# Altium PCB KCP-2282-601-PCBV3.8.PcbDoc (part 2 of 3)
Units mm, origin at the board's own origin, x right, y up, seen from the top; angles counter-clockwise.
Board outline 58.3 x 95.6 mm, 4 copper layers (Top (1), GND (2), VCC (3), Bottom (4)), stack 1.595 mm thick; 164 components, 88 nets, 538 pads, 533 vias.
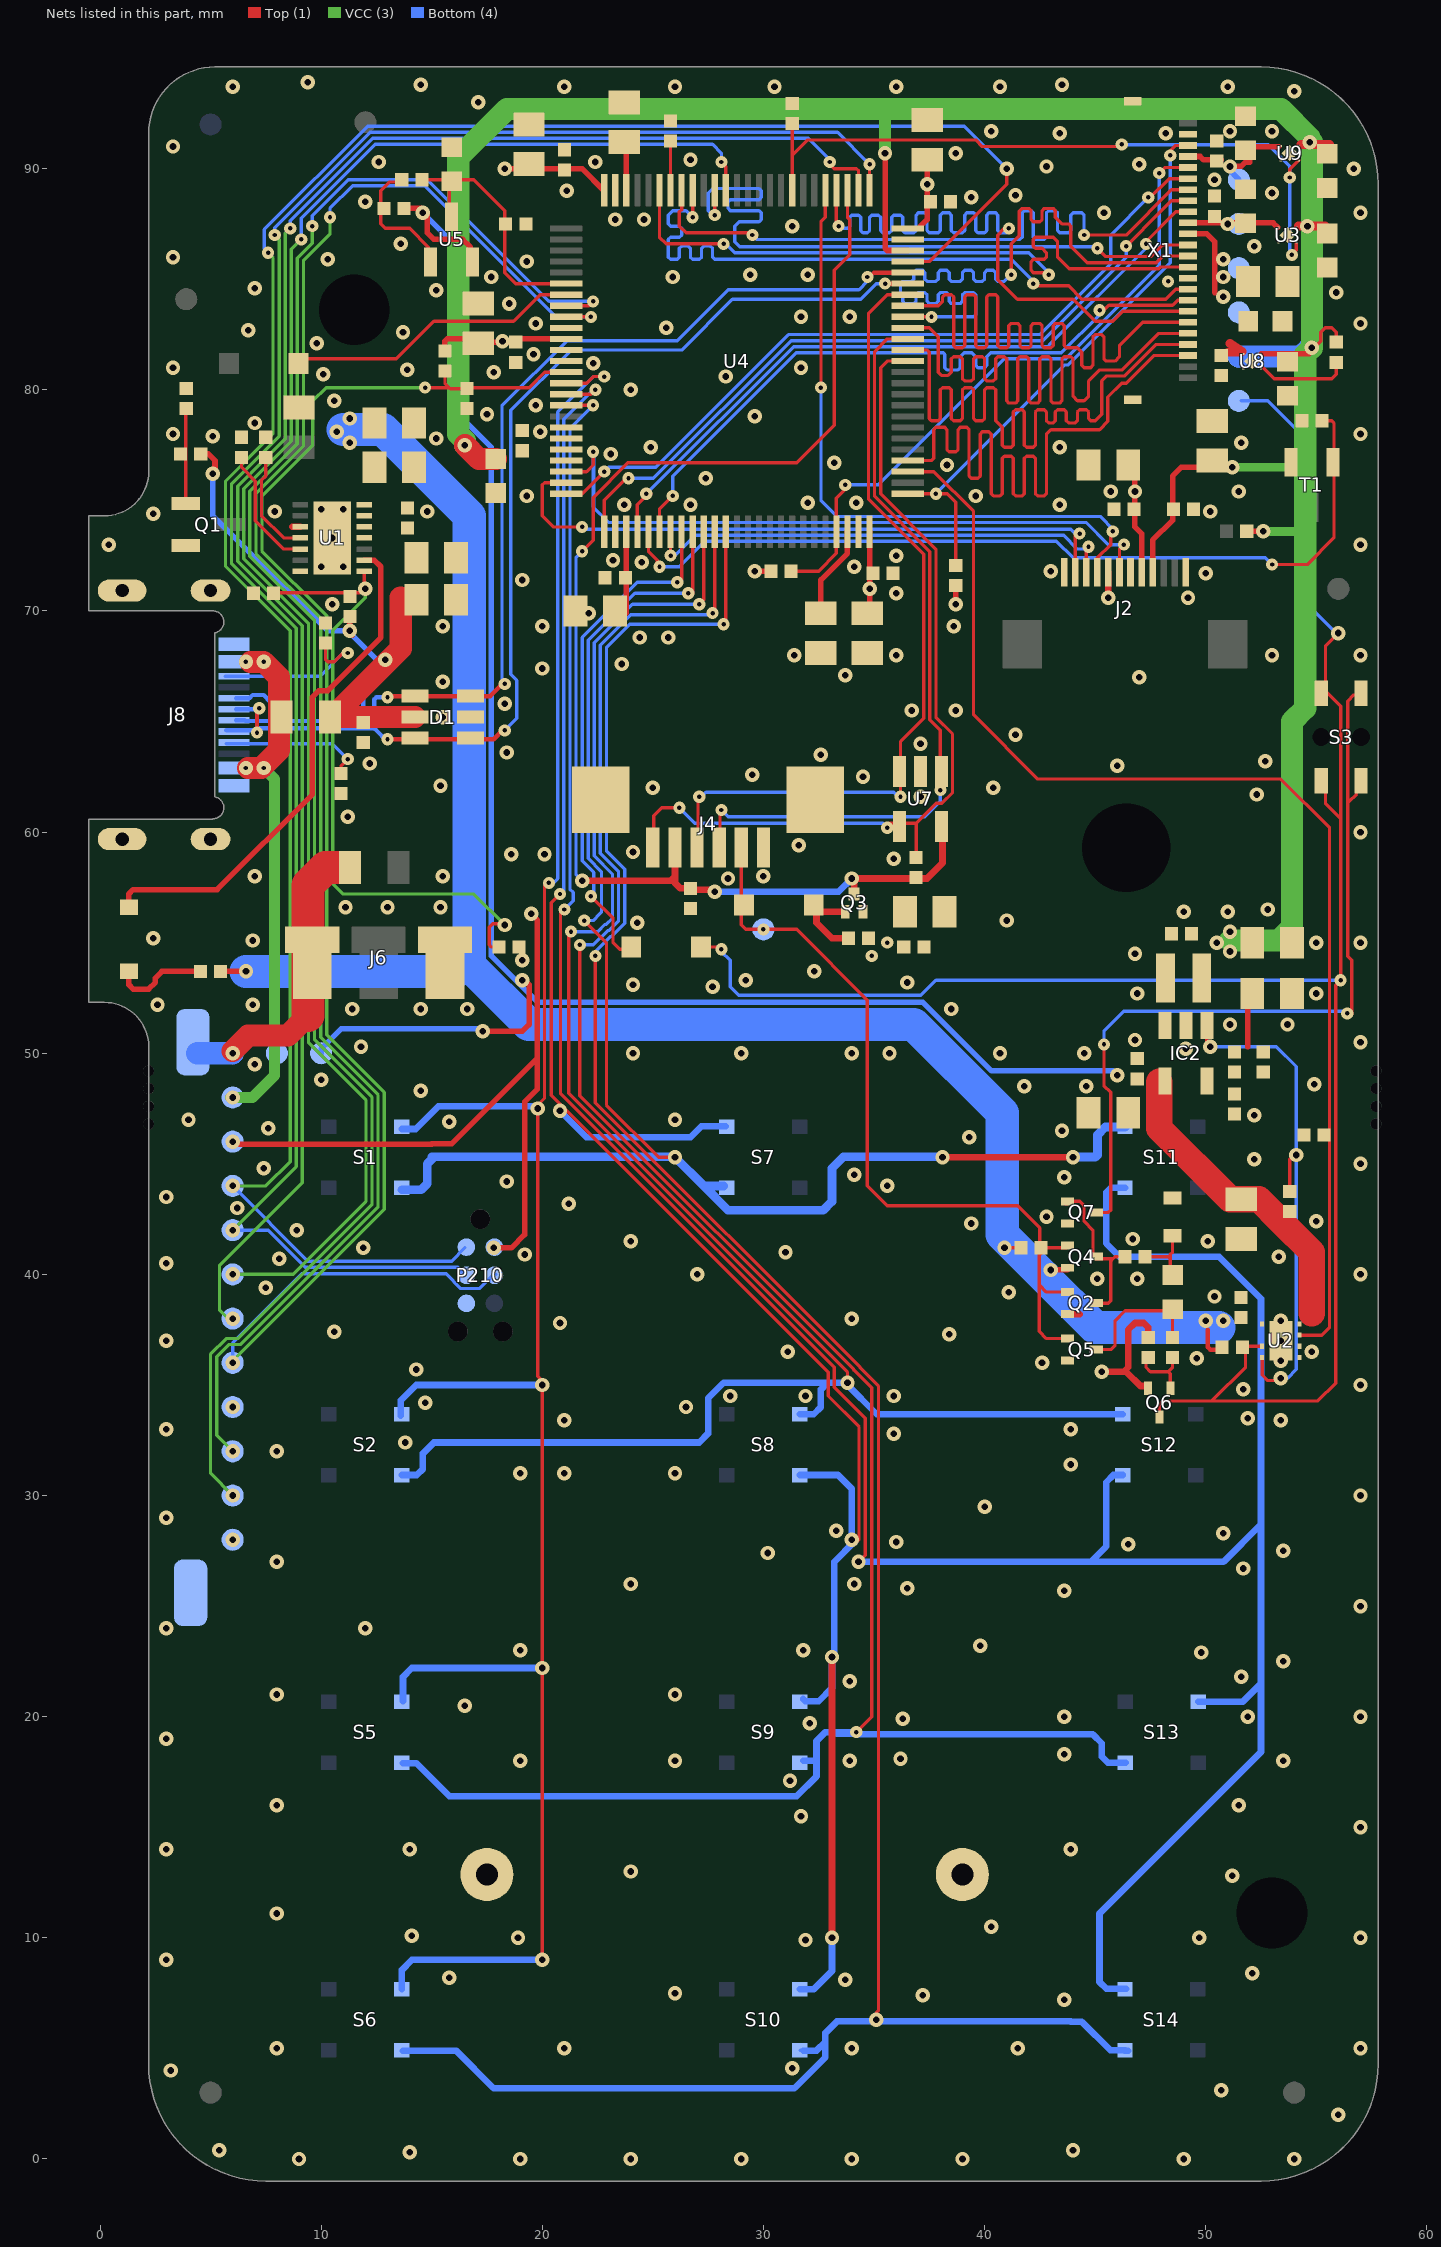
[diagram p4: the nets of this part, all layers, seen from the top]

## Via types
v1: diameter 0.65, hole 0.3, Top (1) to Bottom (4), tented both sides, 438 vias
v2: diameter 0.55, hole 0.2, Top (1) to Bottom (4), tented both sides, 91 vias
v3: diameter 0.65, hole 0.2, Top (1) to Bottom (4), tented both sides, 4 vias

## Nets (pads, with @x,y where several pads share a name; then routed paths per layer and width w, separated by ;. In a path a pad name is that pad's centre, name@x,y a point inside that pad or via, vN(x,y) a via of type N, cw(c..) or ccw(c..) an arc to the next point about the centre after c; other vN are vias at no path point) (continued)
CAM_D0: U4.68 X1.19 | length 34.3
  Top (1) w0.15: U4.68@36.7,83.8 37.9,83.8 38.1,84 38.1,84.2 38.2,84.3 38.5,84.3 38.6,84.2 38.6,82 38.7,81.9 39,81.9 39.1,82 39.1,84.2 39.2,84.3 39.5,84.3 39.6,84.2 39.6,82 39.7,81.9 40,81.9 40.1,82 40.1,84.2 40.2,84.3 40.5,84.3 40.6,84.2 40.6,82 40.7,81.9 41,81.9 41.1,82 41.1,82.6 41.1,82.9 41.2,83 41.5,83 41.6,82.9 41.6,82 41.7,81.9 42,81.9 42.1,82 42.1,82.6 42.1,82.9 42.2,83 42.5,83 42.6,82.9 42.6,82 42.7,81.9 43,81.9 43.1,82 43.1,82.6 43.1,82.9 43.2,83 43.5,83 43.6,82.9 43.6,82 43.7,81.9 44.2,81.9 44.4,81.7 44.4,81.1 44.5,81 44.8,81 44.9,81.1 44.9,82.4 45,82.5 45.3,82.5 45.4,82.4 45.4,81.4 45.5,81.3 45.9,81.3 46.1,81.5 46.1,82 47.15,83.05 X1.19@49.2,83.05
CAM_D1: U4.64 X1.21 | length 34.5
  Top (1) w0.15: U4.64@36.522,81.8 37.4,81.8 37.5,81.7 37.5,78.7 37.6,78.6 37.9,78.6 38,78.7 38,80 38.1,80.1 38.4,80.1 38.5,80 38.5,78.7 38.6,78.6 38.9,78.6 39,78.7 39,80 39.1,80.1 39.4,80.1 39.5,80 39.5,78.7 39.6,78.6 39.9,78.6 40,78.7 40,80 40.1,80.1 40.4,80.1 40.5,80 40.5,78.6 40.8,78.3 40.8,77.5 40.9,77.4 41.2,77.4 41.3,77.5 41.3,79 41.4,79.1 41.7,79.1 41.8,79 41.8,77.5 41.9,77.4 42.2,77.4 42.3,77.5 42.3,79 42.4,79.1 42.7,79.1 42.8,79 42.8,78.6 42.9,78.5 43.1,78.5 43.2,78.6 43.2,79 43.3,79.1 43.6,79.1 43.7,79 43.7,78.6 43.8,78.5 44.1,78.5 44.2,78.6 44.2,79 44.3,79.1 44.6,79.1 44.7,79 44.7,78.7 44.8,78.6 45,78.6 45.3,78.9 45.3,80.4 45.525,80.625 46.336,80.625 47.761,82.05 X1.21@49.2,82.05
CAM_D2: U4.54 X1.22 | length 34.2
  Top (1) w0.15: U4.54@37,76.8 37.6,76.8 37.7,76.9 37.7,78.2 37.8,78.3 38.2,78.3 38.3,78.2 38.3,77.3 38.4,77.2 38.7,77.2 38.8,77.3 38.8,78.2 38.9,78.3 39.2,78.3 39.3,78.2 39.3,76.1 39.4,76 39.7,76 39.8,76.1 39.8,78 39.9,78.1 40.2,78.1 40.3,78 40.3,75.3 40.4,75.2 40.7,75.2 40.8,75.3 40.8,76.9 40.9,77 41.2,77 41.3,76.9 41.3,75.3 41.4,75.2 41.7,75.2 41.8,75.3 41.8,76.9 41.9,77 42.2,77 42.3,76.9 42.3,75.3 42.4,75.2 42.7,75.2 42.8,75.3 42.8,76.3 42.8,78 43,78.2 45.2,78.2 45.575,78.575 45.575,79.675 46.2,80.3 46.4,80.3 46.6,80.5 47.15,81.05 ; 47.1,81 47.65,81.55 X1.22@49.2,81.55
CAM_D3: U4.66 X1.20 | length 35.2
  Top (1) w0.15: U4.66@36.522,82.8 37.5,82.8 37.9,82.4 37.9,80.8 38.05,80.65 38.35,80.65 38.5,80.8 38.5,81.4 38.6,81.5 38.9,81.5 39,81.4 39,80.5 39.1,80.4 39.4,80.4 39.5,80.5 39.5,80.8 39.5,81.4 39.6,81.5 39.9,81.5 40,81.4 40,80.5 40.1,80.4 40.4,80.4 40.5,80.5 40.5,80.8 40.5,81.4 40.6,81.5 40.9,81.5 41,81.4 41,79.5 41.1,79.4 41.4,79.4 41.5,79.5 41.5,80.8 41.5,81.4 41.6,81.5 41.9,81.5 42,81.4 42,79.5 42.1,79.4 42.4,79.4 42.5,79.5 42.5,80.8 42.5,81.4 42.6,81.5 42.9,81.5 43,81.4 43,79.5 43.1,79.4 43.4,79.4 43.5,79.5 43.5,80.8 43.5,81.4 ; 43.5,80.7 43.5,81.4 ; X1.20@49.2,82.55 47.872,82.55 46.222,80.9 45.2,80.9 44.7,80.4 44.7,79.7 44.5,79.5 44.2,79.5 44,79.7 44,81.4 43.9,81.5 43.6,81.5 43.5,81.4
CAM_D4: U4.79 X1.18 | length 31.9
  Top (1) w0.15: U4.79@33.3,89.022 33.3,87.5 v2@33.4,87.5 ; v2(41.1,87.3) 40.9,87.3 40.6,87 40.6,84.975 41.488,84.088 ; 41.5,84.1 44,84.1 45,83.1 45.8,83.1 46.25,83.55 X1.18@49.2,83.55
  Bottom (4) w0.15: v2(33.4,87.4) 33.5,87.3 33.8,87.3 33.9,87.4 33.9,87.8 34,87.9 34.3,87.9 34.4,87.8 34.4,87.2 34.5,87.1 34.7,87.1 34.8,87.2 34.8,87.8 34.9,87.9 35.2,87.9 35.3,87.8 35.3,87.2 35.4,87.1 35.7,87.1 35.8,87.2 35.8,87.8 35.9,87.9 36.2,87.9 36.3,87.8 36.3,87.2 36.4,87.1 36.8,87.1 36.9,87.2 36.9,87.9 37,88 37.3,88 37.4,87.9 37.4,87.2 37.5,87.1 37.9,87.1 38,87.2 38,87.9 38.1,88 38.4,88 38.5,87.9 38.5,87.2 38.6,87.1 39,87.1 39.1,87.2 39.1,87.9 39.2,88 39.5,88 39.6,87.9 39.6,87.2 39.7,87.1 40,87.1 40.1,87.2 40.1,87.9 40.2,88 40.5,88 40.6,87.9 40.6,87.2 40.7,87.1 41,87.1 41.1,87.2 v2(41.1,87.3)
CAM_D5: U4.92 X1.16 | length 31.8
  Top (1) w0.15: v2(26.8,87.8) U4.92@26.8,89.022 ; v2(42.2,84.8) 42.2,84.7 43.8,84.7 44.4,84.1 48.2,84.1 48.65,84.55 X1.16@49.2,84.55
  Bottom (4) w0.15: v2@26.7,87.9 26.5,88.1 25.9,88.1 25.7,87.9 25.7,87.5 25.8,87.4 26.2,87.4 26.3,87.3 26.3,87 26.2,86.9 25.8,86.9 25.7,86.8 25.7,86 25.8,85.9 26.1,85.9 26.2,86 26.2,86.4 26.3,86.5 26.6,86.5 26.7,86.4 26.7,86 26.8,85.9 27.1,85.9 27.2,86 27.2,86.4 27.3,86.5 27.6,86.5 27.7,86.4 27.7,86 27.8,85.9 41.2,85.9 42.2,84.9 v2(42.2,84.8)
CAM_D6: U4.95 X1.14 | length 31.9
  Top (1) w0.15: U4.95@25.3,89.022 25.3,86.9 25.6,86.6 v2(28.2,86.6) v2@28.3,86.6 ; v2(42.9,85.2) 42.8,85.3 42.2,85.3 42.1,85.4 42.1,85.8 42.2,85.9 42.7,85.9 42.8,86 42.8,86.2 42.6,86.4 42.3,86.4 42.2,86.5 42.2,86.8 42.3,86.9 43.1,86.9 43.3,86.7 43.3,86 43.825,85.475 47.875,85.475 47.95,85.55 X1.14@49.2,85.55
  Bottom (4) w0.15: v2@28.25,86.65 28.7,86.2 42,86.2 42.9,85.3 v2(42.9,85.2)
CAM_D7: U4.90 X1.12 | length 31.9
  Top (1) w0.15: v2(27.8,87.9) U4.90@27.8,89.022 ; v2(45.1,86.4) 45.475,86.025 47.525,86.025 48.05,86.55 X1.12@49.2,86.55
  Bottom (4) w0.15: v2(27.8,87.9) 27.7,87.9 27.5,88.1 27.5,88.9 27.7,89.1 29.8,89.1 29.9,89 29.9,88.7 29.8,88.6 28.5,88.6 28.4,88.5 28.4,88.2 28.5,88.1 29.8,88.1 29.9,88 29.9,87.7 29.8,87.6 28.9,87.6 28.7,87.4 28.7,86.7 28.925,86.475 45.025,86.475 v2(45.1,86.4)
CAM_HSYNC: U4.29 X1.9 | length 32.2
  Top (1) w0.15: U4.29@24.3,73.578 24.3,74.8 24.75,75.25 v2@24.8,75.3 ; v2(24.7,75.3) v2@24.8,75.3 ; v2(47.3,86.6) 47.3,86.7 48.65,88.05 X1.9@49.2,88.05 ; v2@24.8,75.3 24.85,75.35 24.9,75.3 v2@24.8,75.3
  Bottom (4) w0.15: v2(24.7,75.3) 24.711,75.3 31.361,81.95 42.85,81.95 43,82.1 47.3,86.4 v2(47.3,86.6)
CAM_I2C_SCL: R11.1 U4.47 X1.5 | length 29.9
  Top (1) w0.15: R11.1@31.3,71.8 32.5,71.8 33.3,72.6 U4.47@33.3,73.578 33.3,75.1 33.8,75.6 33.9,75.7 v2(33.7,75.7) ; v2(47.9,89.8) 48.15,90.05 X1.5@49.2,90.05
  Bottom (4) w0.15: v2(33.7,75.7) 35.2,75.7 40.9,81.4 43.672,81.4 47.9,85.628 v2(47.9,89.8) v2@47.9,89.9
CAM_I2C_SDA: R24.1 U4.51 X1.3 | length 26
  Top (1) w0.15: U4.51@36.6,75.3 v2(37.8,75.3) 38.311,75.3 38.7,74.911 R24.1@38.7,72.055 R24.1@38.7,72 ; v2@48.4,90.7 48.4,90.8 48.65,91.05 X1.3@49.2,91.05
  Bottom (4) w0.15: v2(37.8,75.3) 43.625,81.125 43.786,81.125 48.4,85.739 v2(48.4,90.6)
CAM_PCLK: U4.31 X1.17 | length 31.8
  Top (1) w0.15: U4.31@25.3,73.578 25.3,74.6 v2(25.9,75.2) ; v2(45.2,83.6) v2@45.25,83.55 ; v2@45.3,83.5 45.625,83.825 48.5,83.825 48.725,84.05 X1.17@49.2,84.05
  Bottom (4) w0.15: v2(25.9,75.2) 25.9,76.1 31.475,81.675 38.125,81.675 38.2,81.6 38.2,81 38.3,80.9 38.8,80.9 38.9,81 38.9,81.5 39.075,81.675 39.425,81.675 39.6,81.5 39.6,81.1 39.7,81 40,81 40.1,81.1 40.1,81.5 40.275,81.675 43.475,81.675 45.2,83.4 v2(45.2,83.6)
CAM_PWR_DOWN: U4.26 X1.8 | length 34.7
  Top (1) w0.15: U4.26@22.8,73.578 22.8,75 23.85,76.05 v2@23.9,76.1 ; v2(46.4,86.5) 47.95,88.05 ; 47.3,87.4 48.45,88.55 X1.8@49.2,88.55
  Bottom (4) w0.15: v2(23.9,76) 25.022,76 31.247,82.225 42.625,82.225 46.4,86 v2(46.4,86.5)
CAM_RST: U4.25 X1.6 | length 34.8
  Top (1) w0.15: U4.25@21.078,75.3 21.8,75.3 v2(22.8,76.3) ; v2(47.4,88.7) 47.5,88.7 48.35,89.55 X1.6@49.2,89.55
  Bottom (4) w0.15: v2(22.8,76.3) 23,76.5 25.133,76.5 31.133,82.5 42.5,82.5 45.7,85.7 45.7,87 v2(47.4,88.7)
CAM_VSYNC: U4.93 X1.7 | length 32
  Top (1) w0.15: U4.93@26.3,89.022 26.3,88.148 26.2,88.049 26.2,87.4 26.5,87.1 29.4,87.1 v2(29.5,87) ; v2(44.5,87) 46.4,87 48.45,89.05 X1.7@49.2,89.05
  Bottom (4) w0.15: v2(29.5,87) 29.7,86.8 41.6,86.8 41.7,86.9 41.7,88 41.8,88.1 42.1,88.1 42.2,88 42.2,86.9 42.3,86.8 42.7,86.8 42.8,86.9 42.8,88 42.9,88.1 43.2,88.1 43.3,88 43.3,87.2 43.4,87.1 43.8,87.1 43.9,87.2 43.9,87.9 44,88 44.4,88 44.5,87.9 v2(44.5,87) v2@44.4,87
CAM_XCLK: U4.67 X1.13 | length 31.9
  Top (1) w0.15: U4.67@36.522,83.3 v2(37.6,83.3) ; v2(41.2,85.2) 41.2,86.6 41.575,86.975 41.575,88.075 41.7,88.2 42,88.2 42.1,88.1 42.1,87.7 42.2,87.6 42.5,87.6 42.6,87.7 42.6,88.1 42.7,88.2 43.1,88.2 43.2,88.1 43.2,87.8 43.5,87.5 43.8,87.5 43.9,87.4 43.9,86.5 44.65,85.75 47.761,85.75 48.061,86.05 X1.13@49.2,86.05
  Bottom (4) w0.15: v2(37.6,83.3) 39.5,83.3 39.6,83.4 39.6,84.3 39.5,84.4 39.1,84.4 39,84.3 39,84 38.9,83.9 38.5,83.9 38.4,84 38.4,84.3 38.3,84.4 38,84.4 37.9,84.3 37.9,84 37.8,83.9 37.5,83.9 37.4,84 37.4,84.3 37.3,84.4 37,84.4 36.9,84.3 36.9,84 36.8,83.9 36.4,83.9 36.3,84 36.3,84.3 36.2,84.4 36.2,84.8 36.3,84.9 36.7,84.9 36.8,85 36.8,85.3 36.9,85.4 37.2,85.4 37.3,85.3 37.3,85 37.4,84.9 37.8,84.9 37.9,85 37.9,85.3 38,85.4 38.3,85.4 38.4,85.3 38.4,85 38.5,84.9 38.9,84.9 39,85 39,85.3 39.1,85.4 39.4,85.4 39.5,85.3 39.5,85 39.6,84.9 39.9,84.9 40,85 40,85.3 40.1,85.4 40.4,85.4 40.5,85.3 40.5,85 40.6,84.9 40.9,84.9 v2(41.2,85.2)
CC1: J8.A5 R2.2 | length 6.6
  Top (1) w0.15: R2.2@10.9,62.655 10.9,63 v2(11.2,63.3)
  Bottom (4) w0.15: J8.A5@5.7,64 6.05,64 10.5,64 v2(11.2,63.3)
CC2: J8.B5 R3.2 | length 7.9
  Top (1) w0.15: R3.2@10.2,68.545 10.2,67.8 10.3,67.7 10.6,67.7 11,68.1 v2(11.2,68.1)
  Bottom (4) w0.15: J8.B5@5.65,67.05 J8.B5@6.05,67.05 9.95,67.05 11,68.1 v2(11.2,68.1)
GND: C1.2 C2.2 C3.1 C4.2 C5.2 C6.2 C7.2 C9.2 C10.2 C11.2 C12.2 C13.2 C14.2 C15.2 C16.2 C17.2 C19.2 C21.2 C23.2 C24.2 C25.2 C26.2 C27.2 C29.2 C30.2 C31.2 C32.2 C33.2 C34.2 C35.2 C36.2 C37.2 C38.2 C39.2 C40.2 C41.2 C42.2 C44.2 C45.2 C46.2 C47.2 C48.2 C49.2 C52.2 C53.2 C54.2 C300.2 C302.2 D1.2 D6.2 GND4.1 GND.1 IC2.2 J2.1 J2.5 J2.12 J4.0 J4.1 J6.1 J6.4 J8.A1_B12 J8.B1_A12 J8.S1 J8.S2 J8.S3 J8.S4 JGND.1 M.1 P210.6 pad.0 Q1.2 Q2.2 Q5.2 Q6.2 Q7.2 R1.1 R2.1 R3.1 R4.2 R7.1 R10.1 R14.1 R15.1 R17.1 R18.1 R25.1 R28.1 R100.1 T1.2 U1.3 U1.7 U1.TH_PAD U2.5 U2.6 U2.TH_PAD U3.2 U3.5 U4.10 U4.19 U4.20 U4.27 U4.49 U4.74 U4.99 U7.2 U8.2 U8.5 U9.2 U9.5 X1.0 X1.2 X1.15 | length 7.8
  Top (1) w0.3: U1.3@8.7,73.8 U1.3@9.05,73.8 ; Q2.2@43.75,38.2 44.3,38.2 ; v1@45.4,35.6 46.3,35.6 ; v1(45.6,70.6) J2.5@45.6,71.75 ; Q6.2@47.4,34.95 47.05,34.95 46.4,35.6 46.3,35.6 ; R25.1@47.4,37.2 47.4,37.6 47.2,37.8 46.8,37.8 46.5,37.5 46.5,35.8 46.3,35.6
  other v1: 9,0 19,0 24,0 29,0 34,0 39,0 49,0 54,0 14,0.3 5.4,0.4 44,0.4 56,2 50.7,3.1 3.2,4 31.3,4.1 8,5 21,5 34,5 41.5,5 57,5 43.6,7.2 37.2,7.4 26,7.5 33.7,8.1 15.8,8.2 52.1,8.4 3,9 31.9,9.9 18.9,10 49.7,10 57,10 14.1,10.1 40.3,10.5 8,11.1 51.2,12.8 24,13 3,14 14,14 43.9,14 57,15 31.7,15.5 8,16 51.5,16 31.2,17.1 19,18 26,18 33.9,18 53.5,18 36.2,18.1 43.6,18.3 3,19 32.1,19.7 36.3,19.9 43.6,20 51.9,20 57,20 16.5,20.5 8,21 26,21 33.9,21.6 51.6,21.8 53.5,22.5 49.8,22.9 19,23 31.8,23 39.8,23.2 3,24 12,24 57,25 43.6,25.7 36.5,25.8 24,26 34.1,26 51.7,26.7 8,27 30.2,27.4 53.5,27.5 46.5,27.8 36,27.9 6,28 50.8,28.3 33.3,28.4 3,29 40,29.5 57,30 19,31 21,31 26,31 43.9,31.4 8,32 13.8,32.4 35.9,32.8 3,33 43.9,33 21,33.4 53.4,33.4 51.9,33.5 6,34 26.5,34 14.7,34.2 28.5,34.5 31.9,34.5 35.9,34.5 51.7,34.8 57,35 45.3,35.6 14.3,35.7 42.6,36 53.4,36.1 49.6,36.2 31.1,36.5 54.8,36.5 3,37 53.4,37 38.4,37.3 10.6,37.4 20.8,37.8 53.4,37.9 34,38 50.4,39 41.1,39.2 7.5,39.4 45.1,39.8 46.9,39.8 27,40 57,40 3,40.5 8.1,40.7 53.3,40.8 19.2,40.9 31,41 11.9,41.2 24,41.5 50.1,41.5 46.7,41.6 8.9,42 39.4,42.3 55,42.4 42.8,42.6 6.2,43 21.2,43.2 3,43.5 35.6,44 18.4,44.2 43.6,44.4 34.1,44.5 7.4,44.8 57,45 52.2,45.2 39.3,46.2 43.5,46.5 7.6,46.6 15.8,46.9 4,47 26,47 52.2,47.2 14.5,48.3 41.8,48.5 44.6,48.5 54.9,48.6 10,48.8 7,49.5 24.1,50 29,50 34,50 35.7,50 40.7,50 44.5,50 49.1,50.2 11.8,50.3 57,50.5 46.8,50.6 51.1,51.3 53.7,51.3 11.4,52 14.5,52 16.6,52 38.5,52 2.6,52.2 6.9,52.2 46.9,52.7 55,52.7 27.7,53 24.1,53.1 36.5,53.2 29.2,53.3 32.3,53.7 19.1,54.2 46.8,54.5 55,55 57,55 6.9,55.1 2.4,55.2 24.3,55.9 41,56 49,56.4 51,56.4 52.8,56.5 11.1,56.6 13,56.6 15.4,56.6 28.4,57.9 7,58 15.5,58 30,58 35.9,58.8 18.6,59 20.1,59 24.1,59.1 31.6,59.4 57,60 11.2,60.7 37.1,61.6 52.3,61.7 25,62 40.4,62 15.4,62.1 34.5,62.5 29.5,62.6 46,63 12.2,63.1 52.7,63.2 32.6,63.5 18.4,63.6 37.1,64 41.4,64.4 15.5,65.2 36.7,65.5 38.7,65.5 18.3,65.8 15.5,66.8 47,67 33.7,67.1 20,67.4 23.6,67.6 31.4,68 36,68 53,68 57,68 25.7,68.8 15.5,69.3 20,69.3 38.6,69.3 22.1,69.9 10.5,70.3 49.2,70.6 36,70.8 19.1,71.4 50,71.7 43,71.8 10,72 11,72 34.1,72 24.5,72.2 23.2,72.3 36,72.5 0.4,73 57,73 10.5,73.3 2.4,74.4 7.9,74.5 14.8,74.5 50.2,74.5 10,74.6 11,74.6 23.7,74.8 26.7,74.8 43.4,74.8 32,74.9 34.2,74.9 19.3,75.2 39.6,75.2 45.7,75.4 51.5,75.4 27.4,76 38.3,76.6 33.2,76.7 23.1,77.1 24.9,77.4 43.4,77.4 51.6,77.6 15.2,77.8 5.1,77.9 3.3,78 57,78 19.9,78.1 7,78.5 29.6,78.8 17.5,78.9 19.7,79.3 10.6,79.5 24,80 28.3,80.6 10.1,80.7 17.8,80.8 13.9,80.9 3.3,81 31.7,81 22.3,81.2 19.6,81.6 9.8,82.1 13.7,82.6 6.7,82.7 25.6,82.8 19.7,83 57,83 31.7,83.3 33.9,83.3 18.5,83.9 55.9,84.4 15.2,84.5 7,84.6 17.7,85.1 25.9,85.1 29.4,85.2 32,85.2 19.3,85.8 10.3,85.9 3.3,86 52.2,86.5 13.6,86.6 31.3,87.4 23.3,87.7 24.6,87.7 45.4,88 57,88 12,88.5 39.4,88.7 41.4,88.8 53,88.9 21.1,89 50.4,89.5 56.7,90 42.8,90.1 47,90.2 12.6,90.3 22.4,90.3 26.7,90.4 38.7,90.7 3.3,91 43.4,91.6 48.2,91.6 40.3,91.7 51.1,91.7 53,91.7 17.1,93 54,93.5 6,93.7 21,93.7 26,93.7 30.5,93.7 36,93.7 40.7,93.7 51,93.7 14.5,93.8 43.5,93.8 9.4,93.9
  other v2: 48.3,84.9
JTCK_SWCLK: JSWC.1 P210.4 U4.76 | length 90.5
  Top (1) w0.15: U4.76@34.8,89.022 v2(34.8,90.2) v2@34.8,90.3
  VCC (3) w0.15: v1(6,42) 8.875,44.875 8.875,69.214 5.95,72.139 5.95,75.761 8.1,77.911 8.1,86.8 v2(7.9,87)
  Bottom (4) w0.15: v1(6,42) 7.611,42 9.286,40.325 16.175,40.325 P210.4@16.5,40 ; v2(7.9,87) 7.9,87.338 12.212,91.65 33.35,91.65 v2@34.75,90.25
JTDI: JTDI.1 U4.77 | length 82.5
  Top (1) w0.15: v2@33,90.2 33.2,90 34.2,90 34.3,89.9 U4.77@34.3,89.022
  VCC (3) w0.15: v1(6,38) 5.8,38 5.4,38.4 5.4,40.4 7,42 9.15,44.15 9.15,69.328 6.225,72.253 6.225,75.647 8.375,77.797 8.375,87.075 v2(8.6,87.3)
  Bottom (4) w0.15: v2(8.6,87.3) 8.6,87.65 12.325,91.375 32.025,91.375 33,90.4 v2(33,90.3)
JTDO_SWO: JTDO.1 U4.89 | length 77.5
  Top (1) w0.15: v2(28.1,90.3) 28.3,90.1 U4.89@28.3,89.022
  VCC (3) w0.15: v1(6,40) 8.733,40 12.025,43.292 12.025,47.886 9.425,50.486 9.425,69.442 6.5,72.367 6.5,75.533 8.65,77.683 8.65,86.35 v2(9.1,86.8)
  Bottom (4) w0.15: v2(9.1,86.8) 9.1,87.761 12.439,91.1 27.7,91.1 28.1,90.7 v2(28.1,90.3)
JTMS_SWDIO: JSWD.1 P210.2 U4.72 | length 102.6
  Top (1) w0.15: U4.72@36.522,85.8 37.5,85.8 41,89.3 v1(41,90)
  VCC (3) w0.15: v1(6,44) 7.5,44 8.6,45.1 8.6,69.1 5.675,72.025 5.675,75.875 7.825,78.025 7.825,85.964 7.594,86.194 7.589,86.2 v2(7.6,86.2)
  Bottom (4) w0.15: v1(6,44) 9.4,40.6 15.9,40.6 P210.2@16.5,41.2 ; v2(7.6,86.2) 7.425,86.375 7.425,87.252 12.098,91.925 39.075,91.925 v1(41,90)
KBD_C0: S11.A S12.A S13.A S14.C U4.17 | length 133.3
  Top (1) w0.15: v2(21,56.5) 20.825,56.325 20.825,48.175 33.2,35.8 33.2,34.9 34.6,33.5 34.6,27.3 v1(34.3,27) ; U4.17@21.078,79.3 v2@22.1,79.3
  Bottom (4) w0.15: v2(21,56.5) 21.4,56.9 21.4,57.272 21.25,57.422 21.25,78.25 v2(22.3,79.3)
  Bottom (4) w0.3: v1(34.3,27) 44.8,27 ; S12.A@46.25,30.925 45.825,30.925 45.5,30.6 45.5,27.7 44.8,27 ; S11.A@46.35,43.919 45.718,43.918 45.5,43.7 45.5,41.4 46.1,40.8 50.6,40.8 52.5,38.9 52.5,28.7 ; S14.C@46.4,7.7 46.35,7.7 45.5,7.7 45.2,8 45.2,11.1 52.5,18.4 52.5,21.5 ; S13.A@49.67,20.669 51.669,20.669 52.5,21.5 ; 44.8,27 50.8,27 52.5,28.7 ; 52.5,21.5 52.5,28.7
KBD_C1: S7.C S8.C S9.A S10.A U4.16 | length 97.7
  Top (1) w0.15: v2(20.8,57.2) 20.4,56.8 20.4,48.1 20.95,47.55 32.925,35.575 32.925,34.5 34.325,33.1 34.325,28.025 34.15,27.85 v1@34.1,27.8 ; U4.16@21.078,79.8 22.2,79.8 v2(22.4,80)